# Altium PCB MOTHER_BOARD_LS1021_v1.0.PcbDoc (part 13 of 15)
Units mm, origin at the board's own origin, x right, y up, seen from the top; angles counter-clockwise.
Board outline 285 x 90.6 mm, 10 copper layers (TOP, GND1, SIGNAL1, GND+PWR1, POWER1, POWER2, GND+PWR2, SIGNAL2, GND2, BOTTOM), stack 1.739 mm thick; 1099 components, 832 nets, 4657 pads, 2737 vias.
Unrouted connection lines stored in the file: 7.
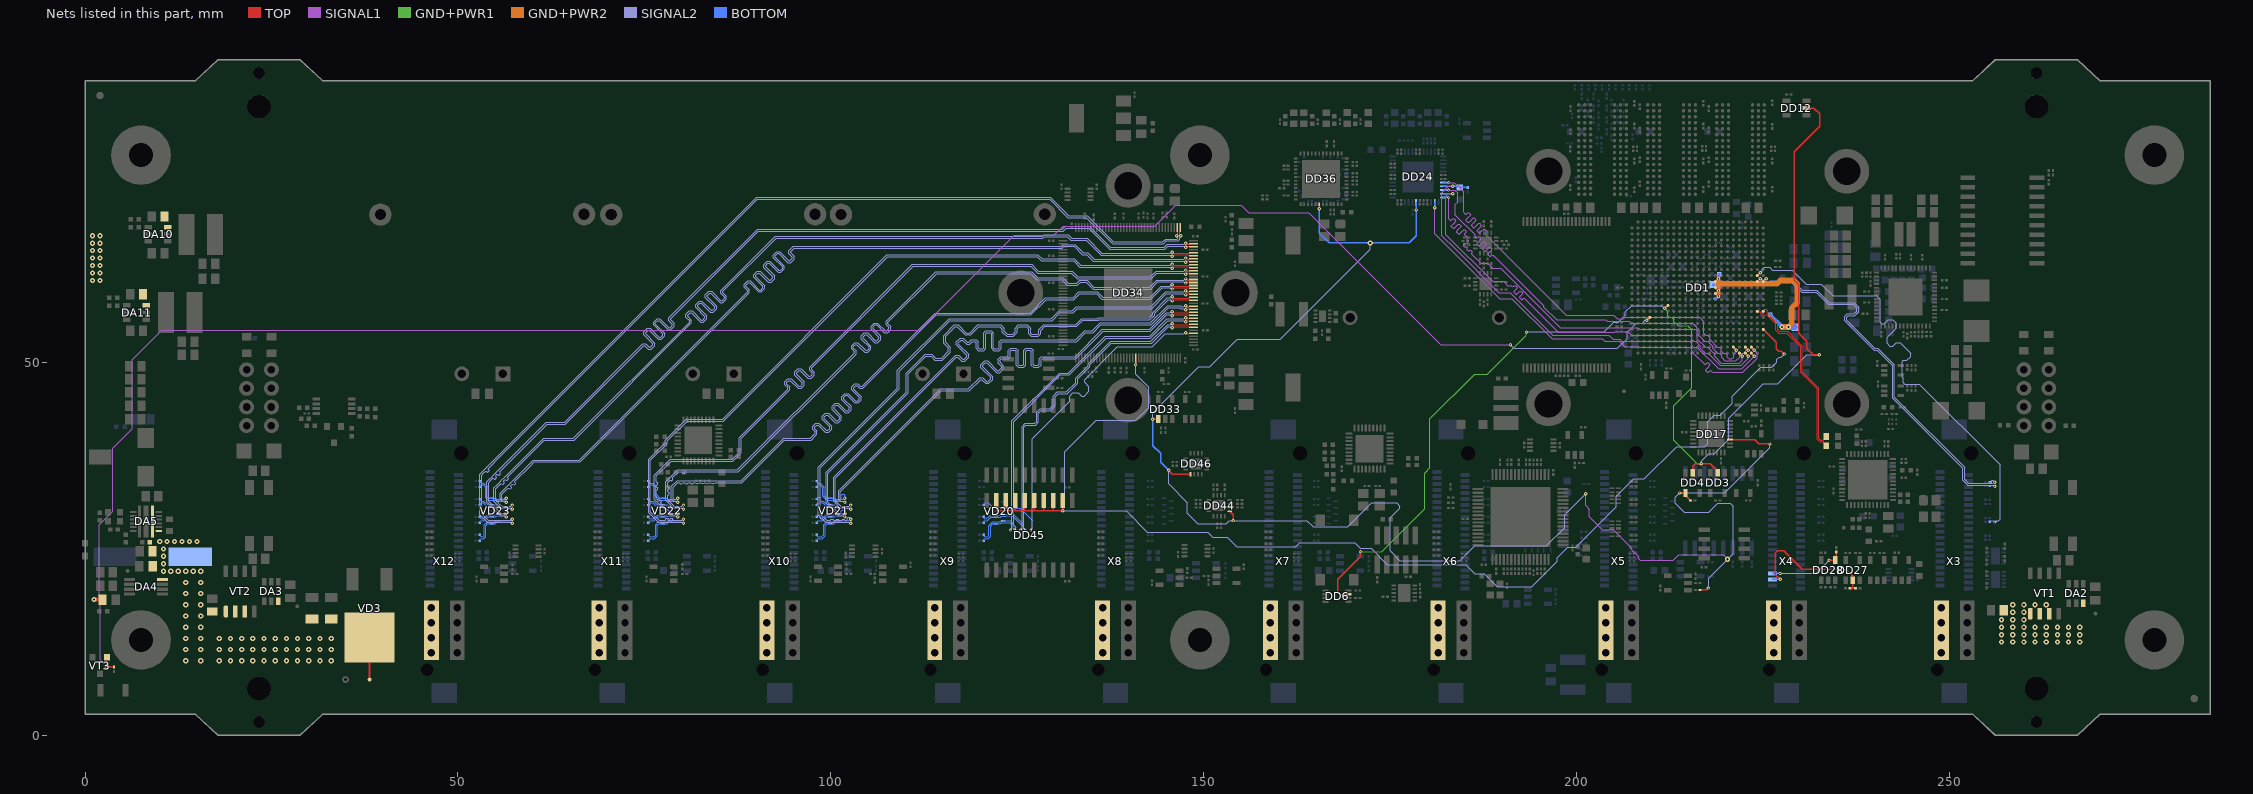
[diagram p21: the nets of this part, all layers, seen from the top]

## Via types
v1: diameter 0.45, hole 0.2, TOP to BOTTOM, tented both sides, 1587 vias
v2: diameter 0.7, hole 0.3, TOP to BOTTOM, tented both sides, 1134 vias
v3: diameter 0.45, hole 0.2, TOP to BOTTOM, tented bottom, 16 vias

## Nets (pads, with @x,y where several pads share a name; then routed paths per layer and width w, separated by ;. In a path a pad name is that pad's centre, name@x,y a point inside that pad or via, vN(x,y) a via of type N, cw(c..) or ccw(c..) an arc to the next point about the centre after c; other vN are vias at no path point) (continued)
PHY5_TXRX_B_P: C490.2 DD34.41 VD20.7 | length 51.5
  TOP w0.12: v1(147.6,54) 147.67,54 147.835,53.835 148.04,53.835 148.13,53.925 DD34.41@148.625,53.925
  SIGNAL2 w0.075: v1(126.85,27.525) 126.85,27.609 126.998,27.756 126.998,39.803 132.02,44.825 132.02,45.477 132.464,45.921 133.206,45.921 133.627,45.5 133.975,45.5 134.6,46.125 134.6,46.764 134.045,47.319 134.045,47.708 138.443,52.105 143.094,52.105 144.842,53.852 147.369,53.852 147.516,54 v1(147.6,54)
  BOTTOM w0.12: C490.2@120.5,30.9 120.585,30.985 120.585,31.12 120.655,31.19 121.092,31.19 121.645,30.637 121.645,30.63 121.744,30.63 121.784,30.59 122.659,30.59 122.759,30.49 123.06,30.49 VD20.7@123.1,30.45 125.395,30.45 127.015,28.83 127.015,27.76 126.85,27.595 v1(126.85,27.525)
PHY5_TXRX_C_N: C475.2 DD34.44 VD20.2 | length 51.5
  TOP w0.12: v1(145.775,55.2) 145.845,55.2 146.01,55.035 148.04,55.035 148.13,55.125 DD34.44@148.625,55.125
  SIGNAL2 w0.075: v1(125.5,27.525) 125.5,27.609 125.648,27.756 125.648,41.408 126.067,41.828 127.367,41.828 127.595,42.056 127.595,43.32 128.086,43.811 129.351,43.811 129.82,44.281 129.82,45.494 130.372,46.047 131.586,46.047 132.845,47.306 132.845,47.905 134.5,49.56 134.5,49.798 137.532,52.83 142.944,52.83 145.167,55.052 145.544,55.052 145.691,55.2 v1(145.775,55.2)
  BOTTOM w0.12: C475.2@120.5,28.5 120.585,28.585 120.585,28.72 120.655,28.79 120.963,28.79 121.423,29.25 VD20.2@122.15,29.25 122.71,29.25 122.85,29.39 123.485,29.39 123.525,29.43 124.37,29.43 125.665,28.135 125.665,27.76 125.5,27.595 v1(125.5,27.525)
PHY5_TXRX_C_P: C491.2 DD34.43 VD20.8 | length 51.5
  TOP w0.12: v1(145.775,54.65) 145.845,54.65 146.01,54.815 148.04,54.815 148.13,54.725 DD34.43@148.625,54.725
  SIGNAL2 w0.075: v1(126.05,27.525) 126.05,27.609 125.903,27.756 125.903,41.303 126.173,41.573 127.473,41.573 127.85,41.95 127.85,43.214 128.192,43.556 129.456,43.556 130.075,44.175 130.075,45.389 130.478,45.792 131.692,45.792 133.1,47.2 133.1,47.799 134.755,49.454 134.755,49.693 137.637,52.575 143.05,52.575 145.272,54.797 145.544,54.797 145.691,54.65 v1(145.775,54.65)
  BOTTOM w0.12: C491.2@120.5,29.3 120.585,29.215 120.585,29.08 120.655,29.01 120.872,29.01 121.332,29.47 121.744,29.47 121.784,29.51 122.659,29.51 122.759,29.61 123.06,29.61 VD20.8@123.1,29.65 124.461,29.65 125.885,28.226 125.885,27.76 126.05,27.595 v1(126.05,27.525)
PHY5_TXRX_D_N: C476.2 DD34.45 VD20.9 | length 51.5
  TOP w0.12: v1(147.6,55.45) 147.67,55.45 147.835,55.615 148.04,55.615 148.13,55.525 DD34.45@148.625,55.525
  SIGNAL2 w0.075: v1(124.66,27.525) 124.825,27.69 124.825,27.875 124.512,28.188 124.512,42.052 130.781,48.32 131.981,48.32 136.936,53.275 142.85,53.275 145.172,55.597 147.369,55.597 147.516,55.45 v1(147.6,55.45)
  BOTTOM w0.12: C476.2@120.5,26.9 120.585,26.815 120.585,26.68 120.655,26.61 121.018,26.61 121.203,26.795 121.203,28.114 121.659,28.57 121.744,28.57 121.784,28.61 122.659,28.61 122.759,28.71 123.06,28.71 VD20.9@123.1,28.75 124.086,28.75 124.495,28.341 124.495,27.76 124.66,27.595 v1(124.66,27.525)
PHY5_TXRX_D_P: C492.2 DD34.46 VD20.1 | length 51.4
  TOP w0.12: v1(147.6,56) 147.67,56 147.835,55.835 148.04,55.835 148.13,55.925 DD34.46@148.625,55.925
  SIGNAL2 w0.075: v1(124.11,27.525) 124.11,27.609 124.257,27.756 124.257,42.158 130.675,48.575 131.875,48.575 136.83,53.53 142.744,53.53 145.067,55.852 147.369,55.852 147.516,56 v1(147.6,56)
  BOTTOM w0.12: C492.2@120.5,26.1 120.585,26.185 120.585,26.32 120.655,26.39 121.109,26.39 121.423,26.704 121.423,28.023 121.75,28.35 VD20.1@122.15,28.35 122.71,28.35 122.85,28.49 123.485,28.49 123.525,28.53 123.995,28.53 124.275,28.25 124.275,27.76 124.11,27.595 v1(124.11,27.525)
PHY6_TXRX_A_N: C477.2 DD34.48 VD21.6 | length 79.3
  TOP w0.12: v1(145.775,56.8) 145.845,56.8 146.01,56.635 148.04,56.635 148.13,56.725 DD34.48@148.625,56.725
  SIGNAL2 w0.075: v1(101.9,31.235) 101.816,31.235 101.669,31.382 101.335,31.382 101.045,31.673 101.045,32.781 114.719,46.455 118.469,46.455 119.978,47.964 120.375,47.964 120.895,47.443 121.081,47.443 121.443,47.806 121.443,47.991 120.111,49.323 120.111,49.72 120.623,50.232 121.02,50.232 122.352,48.9 122.537,48.9 122.9,49.262 122.9,49.448 122.38,49.968 122.38,50.365 122.789,50.775 123.695,50.775 123.826,50.906 123.826,51.642 124.107,51.923 124.831,51.923 125.111,51.642 125.111,49.759 125.243,49.627 125.755,49.627 125.886,49.759 125.886,51.642 126.167,51.923 126.891,51.923 127.171,51.642 127.171,49.759 127.303,49.627 127.815,49.627 127.946,49.759 127.946,50.494 128.227,50.775 132.776,50.775 136.431,54.43 142.744,54.43 144.967,56.652 145.544,56.652 145.691,56.8 v1(145.775,56.8)
  BOTTOM w0.12: C477.2@98.125,33.3 98.21,33.385 98.21,33.52 98.28,33.59 98.525,33.59 98.93,33.185 98.93,32.059 99.409,31.58 99.519,31.58 99.559,31.54 100.434,31.54 100.534,31.44 100.835,31.44 VD21.6@100.875,31.4 101.665,31.4 101.83,31.235 v1(101.9,31.235)
PHY6_TXRX_A_P: C493.2 DD34.47 VD21.5 | length 79.3
  TOP w0.12: v1(145.775,56.25) 145.845,56.25 146.01,56.415 148.04,56.415 148.13,56.325 DD34.47@148.625,56.325
  SIGNAL2 w0.075: v1(101.9,31.785) 101.816,31.785 101.669,31.637 101.441,31.637 101.3,31.778 101.3,32.675 114.825,46.2 118.575,46.2 120.084,47.709 120.269,47.709 120.789,47.188 121.186,47.188 121.698,47.7 121.698,48.097 120.366,49.429 120.366,49.614 120.729,49.977 120.914,49.977 122.246,48.645 122.643,48.645 123.155,49.157 123.155,49.554 122.635,50.074 122.635,50.26 122.895,50.52 123.801,50.52 124.081,50.801 124.081,51.536 124.213,51.668 124.725,51.668 124.856,51.536 124.856,49.653 125.137,49.372 125.861,49.372 126.141,49.653 126.141,51.536 126.273,51.668 126.785,51.668 126.916,51.536 126.916,49.653 127.197,49.372 127.921,49.372 128.201,49.653 128.201,50.389 128.333,50.52 132.881,50.52 136.536,54.175 142.85,54.175 145.072,56.397 145.544,56.397 145.691,56.25 v1(145.775,56.25)
  BOTTOM w0.12: C493.2@98.125,34.1 98.21,34.015 98.21,33.88 98.28,33.81 98.616,33.81 99.15,33.276 99.15,32.15 99.5,31.8 VD21.5@99.925,31.8 100.485,31.8 100.625,31.66 101.26,31.66 101.425,31.825 101.425,32.2 101.525,32.3 101.8,32.3 101.9,32.2 v1(101.9,31.785)
PHY6_TXRX_B_N: C478.2 DD34.49 VD21.4 | length 78.8
  TOP w0.12: v1(147.6,57.05) 147.67,57.05 147.835,57.215 148.04,57.215 148.13,57.125 DD34.49@148.625,57.125
  SIGNAL2 w0.075: v1(102.675,30.885) 102.591,30.885 102.444,30.737 101.359,30.737 100.625,31.472 100.625,34.475 116.862,50.712 117.048,50.712 117.6,50.16 117.997,50.16 118.508,50.671 118.508,51.068 117.113,52.464 117.113,52.65 117.475,53.012 117.661,53.012 118.213,52.46 118.61,52.46 118.945,52.795 119.374,52.795 119.505,52.664 119.505,51.883 119.786,51.602 120.509,51.602 120.79,51.883 120.79,53.856 120.921,53.988 121.434,53.988 121.565,53.856 121.565,51.883 121.846,51.602 122.569,51.602 122.85,51.883 122.85,52.664 122.981,52.795 132.956,52.795 134.154,53.994 135.173,53.994 136.224,55.045 142.97,55.045 145.275,57.35 146.808,57.35 146.961,57.197 147.369,57.197 147.516,57.05 v1(147.6,57.05)
  BOTTOM w0.12: C478.2@98.125,31.7 98.35,31.925 98.509,31.925 98.6,31.834 98.6,31.514 98.704,31.41 99.008,31.41 99.518,30.9 VD21.4@99.925,30.9 100.485,30.9 100.625,30.76 101.26,30.76 101.3,30.72 102.44,30.72 102.605,30.885 v1(102.675,30.885)
PHY6_TXRX_B_P: C494.2 DD34.50 VD21.7 | length 79.3
  TOP w0.12: v1(147.6,57.6) 147.67,57.6 147.835,57.435 148.04,57.435 148.13,57.525 DD34.50@148.625,57.525
  SIGNAL2 w0.075: v1(102.675,30.335) 102.591,30.335 102.444,30.482 101.254,30.482 100.37,31.366 100.37,34.581 116.756,50.967 117.153,50.967 117.705,50.415 117.891,50.415 118.253,50.777 118.253,50.963 116.858,52.358 116.858,52.755 117.369,53.267 117.766,53.267 118.318,52.715 118.504,52.715 118.839,53.05 119.479,53.05 119.76,52.769 119.76,51.989 119.891,51.857 120.404,51.857 120.535,51.989 120.535,53.962 120.816,54.243 121.539,54.243 121.82,53.962 121.82,51.989 121.951,51.857 122.464,51.857 122.595,51.989 122.595,52.769 122.876,53.05 132.85,53.05 134.049,54.249 135.068,54.249 136.119,55.3 142.864,55.3 145.169,57.605 146.914,57.605 147.066,57.452 147.369,57.452 147.516,57.6 v1(147.6,57.6)
  BOTTOM w0.12: C494.2@98.125,30.9 98.21,30.985 98.21,31.12 98.28,31.19 98.917,31.19 99.42,30.687 99.42,30.68 99.519,30.68 99.559,30.64 100.434,30.64 100.534,30.54 100.835,30.54 VD21.7@100.875,30.5 102.44,30.5 102.605,30.335 v1(102.675,30.335)
PHY6_TXRX_C_N: C479.2 DD34.53 VD21.2 | length 79.2
  TOP w0.12: v1(145.775,58.8) 145.845,58.8 146.01,58.635 148.04,58.635 148.13,58.725 DD34.53@148.625,58.725
  SIGNAL2 w0.075: v1(101.9,29.315) 101.816,29.315 101.669,29.462 101.029,29.462 99.37,31.122 99.37,35.281 110.125,46.036 110.125,48.575 112.655,51.105 113.551,51.105 114.077,50.579 114.879,50.579 115.775,51.475 115.775,51.967 115.15,52.592 115.15,53.6 116.58,55.03 117.075,55.03 118.155,53.95 118.65,53.95 119.73,55.03 122.801,55.03 123.275,54.556 123.275,54.175 123.675,53.775 124.375,53.775 124.745,54.145 124.745,54.606 125.169,55.03 126.356,55.03 126.8,54.586 126.8,53.95 126.975,53.775 127.725,53.775 127.895,53.945 127.895,54.388 128.594,55.087 132.887,55.087 133.687,55.887 135.743,55.887 135.843,55.987 142.702,55.987 143.173,56.459 143.173,56.698 145.127,58.652 145.544,58.652 145.691,58.8 v1(145.775,58.8)
  BOTTOM w0.12: C479.2@98.125,28.5 98.197,28.572 98.197,28.732 98.267,28.802 98.918,28.802 99.415,29.3 VD21.2@99.925,29.3 100.485,29.3 100.625,29.44 101.26,29.44 101.3,29.48 101.665,29.48 101.83,29.315 v1(101.9,29.315)
PHY6_TXRX_C_P: C495.2 DD34.52 VD21.8 | length 79.2
  TOP w0.12: v1(145.775,58.25) 145.845,58.25 146.01,58.415 148.04,58.415 148.13,58.325 DD34.52@148.625,58.325
  SIGNAL2 w0.075: v1(101.9,29.865) 101.816,29.865 101.669,29.717 101.135,29.717 99.625,31.227 99.625,35.175 110.38,45.93 110.38,48.469 112.761,50.85 113.445,50.85 113.972,50.324 114.984,50.324 116.03,51.369 116.03,52.072 115.405,52.697 115.405,53.494 116.686,54.775 116.969,54.775 118.049,53.695 118.756,53.695 119.836,54.775 122.695,54.775 123.02,54.45 123.02,54.069 123.569,53.52 124.481,53.52 125,54.039 125,54.5 125.275,54.775 126.25,54.775 126.545,54.48 126.545,53.844 126.869,53.52 127.831,53.52 128.15,53.839 128.15,54.283 128.7,54.832 132.993,54.832 133.793,55.632 135.849,55.632 135.949,55.732 142.808,55.732 143.428,56.353 143.428,56.593 145.233,58.397 145.544,58.397 145.691,58.25 v1(145.775,58.25)
  BOTTOM w0.12: C495.2@98.125,29.325 98.125,29.475 98.236,29.586 98.489,29.586 98.6,29.475 98.6,29.097 98.675,29.022 98.826,29.022 99.324,29.52 99.519,29.52 99.559,29.56 100.434,29.56 100.534,29.66 100.835,29.66 VD21.8@100.875,29.7 101.212,29.7 101.35,29.838 101.35,30.075 101.45,30.175 101.75,30.175 101.9,30.025 v1(101.9,29.865)
PHY6_TXRX_D_N: C480.2 DD34.54 VD21.9 | length 79.2
  TOP w0.12: v1(147.6,59.05) 147.67,59.05 147.835,59.215 148.04,59.215 148.13,59.125 DD34.54@148.625,59.125
  SIGNAL2 w0.075: v1(102.675,28.965) 102.675,29.15 102.575,29.25 102.35,29.25 102.225,29.125 102.225,28.936 102.107,28.818 101.909,28.818 101.777,28.95 101.607,28.95 101.475,28.818 101.133,28.818 101,28.95 100.807,28.95 100.675,28.818 100.432,28.818 100.3,28.95 100.036,28.95 99.903,28.818 99.432,28.818 98.6,29.65 98.6,35.875 109.18,46.455 109.18,48.819 115.986,55.625 129.7,55.625 130.725,56.65 132.511,56.65 133.055,57.195 143.02,57.195 145.022,59.197 147.369,59.197 147.516,59.05 v1(147.6,59.05)
  BOTTOM w0.12: C480.2@98.125,26.9 98.21,26.815 98.21,26.68 98.28,26.61 98.756,26.61 99.03,26.884 99.03,28.216 99.434,28.62 99.519,28.62 99.559,28.66 100.434,28.66 100.534,28.76 100.835,28.76 VD21.9@100.875,28.8 102.44,28.8 102.605,28.965 v1(102.675,28.965)
PHY6_TXRX_D_P: C496.2 DD34.55 VD21.1 | length 79.3
  TOP w0.12: v1(147.6,59.6) 147.67,59.6 147.835,59.435 148.04,59.435 148.13,59.525 DD34.55@148.625,59.525
  SIGNAL2 w0.075: v1(102.675,28.415) 102.591,28.415 102.444,28.563 99.327,28.563 98.345,29.544 98.345,35.981 108.925,46.561 108.925,48.925 115.88,55.88 129.594,55.88 130.619,56.905 132.405,56.905 132.95,57.45 142.914,57.45 144.917,59.452 147.369,59.452 147.516,59.6 v1(147.6,59.6)
  BOTTOM w0.12: C496.2@98.125,26.1 98.21,26.185 98.21,26.32 98.28,26.39 98.847,26.39 99.25,26.793 99.25,28.125 99.525,28.4 VD21.1@99.925,28.4 100.485,28.4 100.625,28.54 101.26,28.54 101.3,28.58 102.44,28.58 102.605,28.415 v1(102.675,28.415)
PHY7_TXRX_A_N: C481.2 DD34.57 VD22.6 | length 104.5
  TOP w0.12: v1(145.775,60.4) 145.845,60.4 146.01,60.235 148.04,60.235 148.13,60.325 DD34.57@148.625,60.325
  SIGNAL2 w0.075: v1(79.475,31.235) 79.391,31.235 79.244,31.382 78.919,31.382 78.62,31.682 78.62,33.387 79.388,34.155 79.71,34.155 80.189,34.155 80.401,34.155 80.895,34.155 81.124,34.155 81.621,34.155 81.857,34.155 82.336,34.155 82.553,34.155 83.032,34.155 83.245,34.155 83.724,34.155 83.935,34.155 84.413,34.155 87.98,34.155 93.68,39.855 97.255,39.855 97.889,40.489 97.889,40.712 97.581,41.019 97.581,41.454 97.985,41.857 98.419,41.857 99.392,40.885 99.615,40.885 99.869,41.139 99.869,41.362 98.868,42.363 98.868,42.798 99.271,43.201 99.706,43.201 100.707,42.2 100.93,42.2 101.184,42.454 101.184,42.678 100.183,43.679 100.183,44.113 100.587,44.516 101.021,44.516 102.022,43.515 102.245,43.515 102.499,43.77 102.499,43.993 101.498,44.994 101.498,45.428 101.902,45.832 102.336,45.832 103.337,44.831 103.56,44.831 103.815,45.085 103.815,45.308 102.814,46.309 102.814,46.743 103.217,47.147 103.651,47.147 103.988,46.811 104.211,46.811 114.025,56.625 126.725,56.625 128.77,58.67 132.495,58.67 133.28,59.455 135.756,59.455 136.456,58.755 142.819,58.755 144.317,60.252 145.544,60.252 145.691,60.4 v1(145.775,60.4)
  BOTTOM w0.12: C481.2@75.55,33.3 75.635,33.385 75.635,33.52 75.705,33.59 76.085,33.59 76.3,33.375 76.3,32.282 76.995,31.587 76.995,31.58 77.094,31.58 77.134,31.54 78.009,31.54 78.109,31.44 78.41,31.44 VD22.6@78.45,31.4 79.24,31.4 79.405,31.235 v1(79.475,31.235)
PHY7_TXRX_A_P: C497.2 DD34.56 VD22.5 | length 104.4
  TOP w0.12: v1(145.775,59.85) 145.845,59.85 146.01,60.015 148.04,60.015 148.13,59.925 DD34.56@148.625,59.925
  SIGNAL2 w0.075: v1(79.475,31.785) 79.391,31.785 79.244,31.637 79.025,31.637 78.875,31.787 78.875,33.281 79.494,33.9 79.71,33.9 79.849,33.761 80.05,33.761 80.189,33.9 80.401,33.9 80.551,33.75 80.745,33.75 80.895,33.9 81.124,33.9 81.274,33.75 81.471,33.75 81.621,33.9 81.857,33.9 81.982,33.775 82.211,33.775 82.336,33.9 82.553,33.9 82.678,33.775 82.907,33.775 83.032,33.9 83.245,33.9 83.37,33.775 83.599,33.775 83.724,33.9 83.935,33.9 84.06,33.775 84.288,33.775 84.413,33.9 88.086,33.9 93.786,39.6 97.361,39.6 98.144,40.383 98.144,40.818 97.836,41.125 97.836,41.348 98.091,41.602 98.314,41.602 99.286,40.63 99.72,40.63 100.124,41.033 100.124,41.468 99.123,42.469 99.123,42.692 99.377,42.946 99.6,42.946 100.601,41.945 101.036,41.945 101.439,42.349 101.439,42.783 100.438,43.784 100.438,44.007 100.692,44.261 100.915,44.261 101.916,43.26 102.351,43.26 102.754,43.664 102.754,44.098 101.753,45.099 101.753,45.323 102.007,45.577 102.231,45.577 103.232,44.576 103.666,44.576 104.07,44.979 104.07,45.414 103.069,46.415 103.069,46.638 103.323,46.892 103.546,46.892 103.882,46.556 104.316,46.556 114.131,56.37 126.831,56.37 128.876,58.415 132.601,58.415 133.386,59.2 135.65,59.2 136.35,58.5 142.925,58.5 144.422,59.997 145.544,59.997 145.691,59.85 v1(145.775,59.85)
  BOTTOM w0.12: C497.2@75.55,34.1 75.635,34.015 75.635,33.88 75.705,33.81 76.176,33.81 76.52,33.466 76.52,32.373 77.093,31.8 VD22.5@77.5,31.8 78.06,31.8 78.2,31.66 78.835,31.66 78.875,31.62 79.24,31.62 79.405,31.785 v1(79.475,31.785)
PHY7_TXRX_B_N: C482.2 DD34.58 VD22.4 | length 104.5
  TOP w0.12: v1(147.6,60.65) 147.67,60.65 147.835,60.815 148.04,60.815 148.13,60.725 DD34.58@148.625,60.725
  SIGNAL2 w0.075: v1(80.25,30.885) 80.166,30.885 80.019,30.737 79.025,30.737 78.15,31.612 78.15,31.785 78.15,31.947 78.15,32.207 78.215,32.272 78.267,32.272 78.332,32.337 78.332,32.532 78.267,32.597 78.215,32.597 78.15,32.662 78.15,32.857 78.215,32.922 78.267,32.922 78.332,32.987 78.332,33.182 78.267,33.247 78.215,33.247 78.15,33.312 78.15,33.888 78.265,34.003 78.449,34.187 78.541,34.187 78.577,34.15 78.669,34.15 78.807,34.288 78.807,34.38 78.77,34.417 78.77,34.509 79.587,35.325 79.749,35.325 80.009,35.325 80.074,35.26 80.074,35.208 80.139,35.143 80.334,35.143 80.399,35.208 80.399,35.26 80.464,35.325 81.924,35.325 87.588,35.325 103.393,51.13 103.393,51.565 103.037,51.921 103.037,52.144 103.291,52.398 103.514,52.398 104.556,51.357 104.99,51.357 105.394,51.76 105.394,52.195 104.352,53.236 104.352,53.46 104.606,53.714 104.829,53.714 105.871,52.672 106.305,52.672 106.709,53.075 106.709,53.51 105.667,54.552 105.667,54.775 105.921,55.029 106.144,55.029 107.186,53.987 107.621,53.987 108.024,54.391 108.024,54.825 107.668,55.182 107.668,55.405 114.183,61.92 126.83,61.92 127.655,61.095 130.98,61.095 131.73,60.345 133.081,60.345 133.498,60.762 134.277,60.762 135.189,59.85 142.9,59.85 143.847,60.797 147.369,60.797 147.516,60.65 v1(147.6,60.65)
  BOTTOM w0.12: C482.2@75.55,31.7 75.635,31.615 75.635,31.48 75.705,31.41 75.84,31.41 76.251,31.41 76.761,30.9 VD22.4@77.5,30.9 78.06,30.9 78.2,30.76 78.835,30.76 78.875,30.72 80.015,30.72 80.18,30.885 v1(80.25,30.885)
PHY7_TXRX_B_P: C498.2 DD34.59 VD22.7 | length 104.5
  TOP w0.12: v1(147.6,61.2) 147.67,61.2 147.835,61.035 148.04,61.035 148.13,61.125 DD34.59@148.625,61.125
  SIGNAL2 w0.075: v1(80.25,30.335) 80.166,30.335 80.019,30.482 78.919,30.482 77.895,31.507 77.895,33.994 79.481,35.58 80.464,35.58 81.924,35.58 87.482,35.58 103.138,51.236 103.138,51.459 102.782,51.816 102.782,52.25 103.185,52.653 103.619,52.653 104.661,51.612 104.884,51.612 105.139,51.866 105.139,52.089 104.097,53.131 104.097,53.565 104.5,53.969 104.935,53.969 105.976,52.927 106.2,52.927 106.454,53.181 106.454,53.404 105.412,54.446 105.412,54.88 105.815,55.284 106.25,55.284 107.292,54.242 107.515,54.242 107.769,54.496 107.769,54.719 107.413,55.076 107.413,55.51 114.077,62.175 126.936,62.175 127.761,61.35 131.086,61.35 131.836,60.6 132.975,60.6 133.392,61.017 134.383,61.017 135.295,60.105 142.794,60.105 143.742,61.052 147.369,61.052 147.516,61.2 v1(147.6,61.2)
  BOTTOM w0.12: C498.2@75.55,30.9 75.635,30.985 75.635,31.12 75.705,31.19 75.931,31.19 76.16,31.19 76.67,30.68 77.094,30.68 77.134,30.64 78.009,30.64 78.109,30.54 78.41,30.54 VD22.7@78.45,30.5 80.015,30.5 80.18,30.335 v1(80.25,30.335)
PHY7_TXRX_C_N: C483.2 DD34.62 VD22.2 | length 104.5
  TOP w0.12: v1(147.6,62.4) 147.67,62.4 147.835,62.235 148.04,62.235 148.13,62.325 DD34.62@148.625,62.325
  SIGNAL2 w0.075: v1(79.475,29.315) 79.391,29.315 79.244,29.462 78.527,29.462 78.07,29.92 77.04,30.949 76.718,31.271 76.535,31.455 76.345,31.644 76.345,32.872 76.345,33.328 76.345,33.522 76.345,33.978 76.345,34.075 76.345,34.881 78.494,37.03 86.78,37.03 87.725,37.975 87.725,39.936 94.212,46.423 94.212,46.646 93.86,46.998 93.86,47.433 94.264,47.836 94.698,47.836 95.731,46.803 95.954,46.803 96.208,47.058 96.208,47.281 95.176,48.313 95.176,48.748 95.579,49.151 96.014,49.151 97.046,48.119 97.269,48.119 97.524,48.373 97.524,48.596 97.172,48.948 97.172,49.382 110.939,63.15 126.936,63.15 127.851,62.235 132.388,62.235 133.148,61.475 142.864,61.475 143.642,62.252 147.369,62.252 147.516,62.4 v1(147.6,62.4)
  BOTTOM w0.12: C483.2@75.55,28.5 75.635,28.585 75.635,28.72 75.705,28.79 76.285,28.79 76.795,29.3 VD22.2@77.5,29.3 78.06,29.3 78.2,29.44 78.835,29.44 78.875,29.48 79.24,29.48 79.405,29.315 v1(79.475,29.315)
PHY7_TXRX_C_P: C499.2 DD34.61 VD22.8 | length 104.5
  TOP w0.12: v1(147.6,61.85) 147.67,61.85 147.835,62.015 148.04,62.015 148.13,61.925 DD34.61@148.625,61.925
  SIGNAL2 w0.075: v1(79.475,29.865) 79.391,29.865 79.244,29.717 78.633,29.717 78.25,30.1 77.22,31.13 77.22,31.221 77.282,31.283 77.282,31.375 77.144,31.513 77.052,31.513 76.991,31.451 76.899,31.451 76.715,31.635 76.6,31.75 76.6,32.872 76.665,32.937 76.752,32.937 76.817,33.002 76.817,33.197 76.752,33.262 76.665,33.262 76.6,33.328 76.6,33.522 76.665,33.587 76.752,33.587 76.817,33.653 76.817,33.847 76.752,33.913 76.665,33.913 76.6,33.978 76.6,34.075 76.6,34.775 78.6,36.775 86.886,36.775 87.98,37.869 87.98,39.83 94.467,46.317 94.467,46.752 94.115,47.104 94.115,47.327 94.37,47.581 94.593,47.581 95.625,46.548 96.06,46.548 96.463,46.952 96.463,47.386 95.431,48.419 95.431,48.642 95.685,48.896 95.908,48.896 96.941,47.864 97.375,47.864 97.779,48.267 97.779,48.702 97.427,49.053 97.427,49.277 111.045,62.895 126.83,62.895 127.745,61.98 132.283,61.98 133.043,61.22 142.97,61.22 143.747,61.997 147.369,61.997 147.516,61.85 v1(147.6,61.85)
  BOTTOM w0.12: C499.2@75.55,29.3 75.635,29.215 75.635,29.08 75.705,29.01 76.194,29.01 76.704,29.52 77.094,29.52 77.134,29.56 78.009,29.56 78.109,29.66 78.41,29.66 VD22.8@78.45,29.7 79.24,29.7 79.405,29.865 v1(79.475,29.865)
PHY7_TXRX_D_N: C484.2 DD34.63 VD22.9 | length 104.5
  TOP w0.12: v1(145.775,62.65) 145.845,62.65 146.01,62.815 148.04,62.815 148.13,62.725 DD34.63@148.625,62.725
  SIGNAL2 w0.075: v1(80.25,28.965) 80.166,28.965 80.019,28.817 79.316,28.817 79.153,28.817 78.893,28.817 78.828,28.882 78.828,29.037 78.763,29.102 78.568,29.102 78.503,29.037 78.503,28.882 78.438,28.817 78.243,28.817 78.178,28.882 78.178,29.037 78.113,29.102 77.918,29.102 77.853,29.037 77.853,28.882 77.788,28.817 76.983,28.817 75.825,29.975 75.825,36.9 78.055,39.13 78.055,39.475 80.73,42.15 85.611,42.15 107.636,64.175 127.675,64.175 128.225,63.625 132.575,63.625 133.405,62.795 135.231,62.795 135.233,62.797 145.544,62.797 145.691,62.65 v1(145.775,62.65)
  BOTTOM w0.12: C484.2@75.55,26.9 75.635,26.815 75.635,26.68 75.705,26.61 76.285,26.61 76.505,26.83 76.505,28.23 76.895,28.62 77.094,28.62 77.134,28.66 78.009,28.66 78.109,28.76 78.41,28.76 VD22.9@78.45,28.8 80.015,28.8 80.18,28.965 v1(80.25,28.965)